# Altium PCB PCB v0.2.PcbDoc (part 2 of 2)
Units mm, origin at the board's own origin, x right, y up, seen from the top; angles counter-clockwise.
Board outline 36.5 x 36.5 mm, 8 copper layers (Top, GND Top, Signal 1, Signal 2/GND, Power, Signal 3, GND Bottom, Bottom), stack 1.211 mm thick; 151 components, 96 nets, 487 pads, 505 vias.
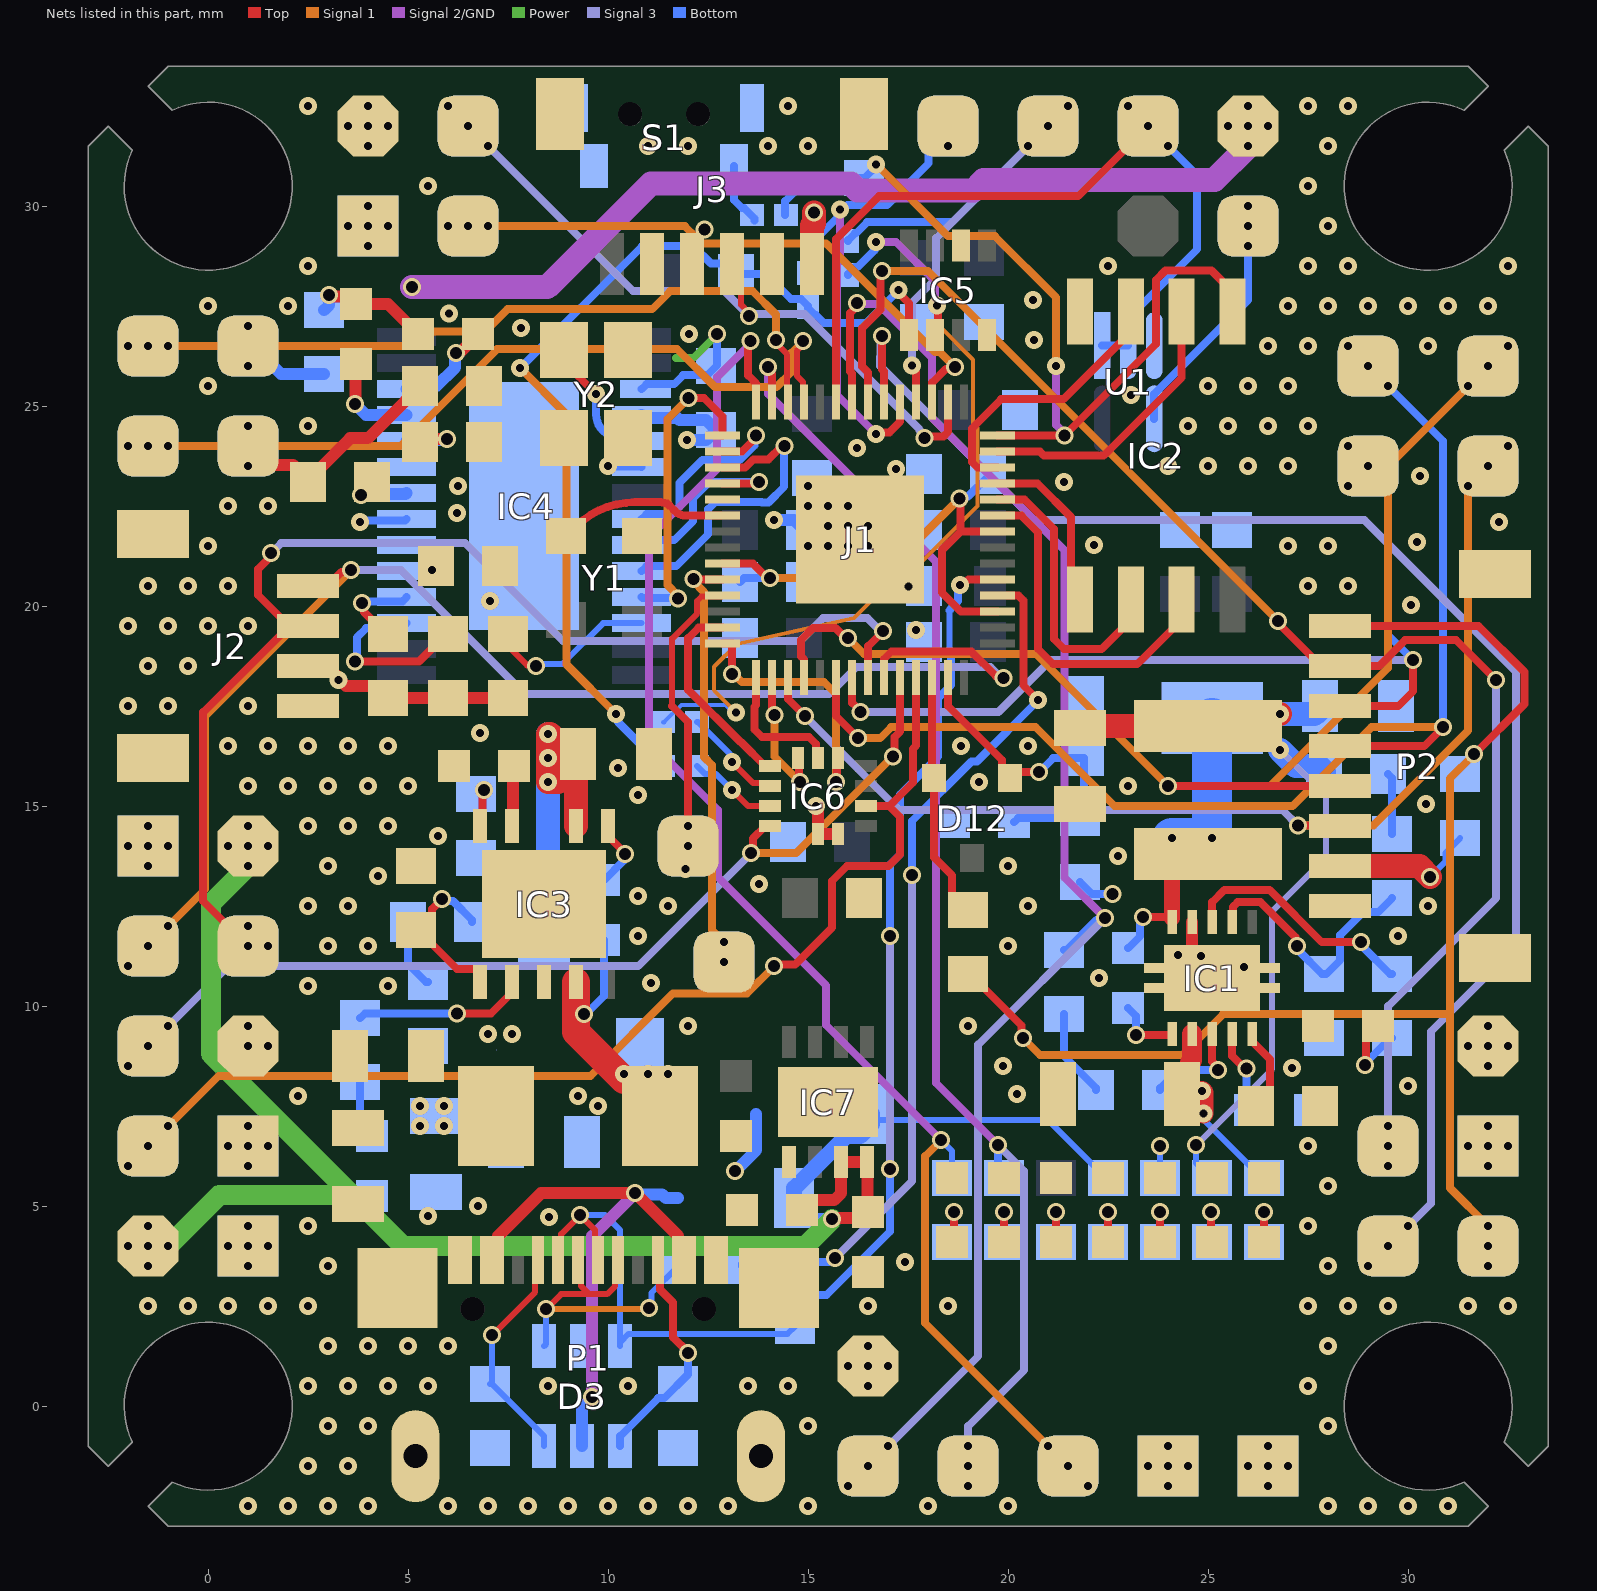
[diagram p8: the nets of this part, all layers, seen from the top]

## Via types
v1: diameter 0.45, hole 0.2, Top to Bottom, tented both sides, 260 vias
v2: diameter 0.45, hole 0.2, Top to Bottom, 136 vias
v3: diameter 0.45, hole 0.3, Top to Bottom, tented both sides, 109 vias

## Nets (pads, with @x,y where several pads share a name; then routed paths per layer and width w, separated by ;. In a path a pad name is that pad's centre, name@x,y a point inside that pad or via, vN(x,y) a via of type N, cw(c..) or ccw(c..) an arc to the next point about the centre after c; other vN are vias at no path point) (continued)
4V5: C21.1 C24.2 D11.2 D13.2 IC7.7 IC7.8 P34.1 P34.2 P36.1 P36.2 R17.2 | length 47.5
  Top w0.3: C21.1@14.85,4.9 15.1,5.15 15.649,5.15 15.825,5.326 IC7.7@15.825,6.1 IC7.8@16.475,6.1 16.488,6.088 16.488,4.862 C24.2@16.5,4.85 16.354,4.704 15.629,4.704 v3(15.6,4.675)
  Power w0.5: v2(-2,4) v2(-1.5,4) ; v2(-1.5,3.5) v2(-1.5,4) ; v2(-1.5,4.5) v2(-1.5,4) ; v2(0.5,14) v2(1,14) ; v2(1,14.5) v2(1,14) ; v2(1.5,14) v2(1,14) ; v3(15.6,4.675) 14.925,4 4.875,4 3.6,5.275 ; v2(-1.5,4) v2(-1,4) 0.275,5.275 3.6,5.275 ; v2(1,14) v2(1,13.5) 0.075,12.575 0.075,8.8 3.6,5.275
  Bottom w0.15: D11.2@16.75,7.15 21,7.15 22.45,5.7 R17.2@22.5,5.7
  Bottom w0.3: D13.2@14.65,5.2 14.65,5.025 15,4.675 v3(15.6,4.675)
  Bottom w0.4: D13.2@14.65,5.2 14.65,5.45 15.95,6.75 16.3,6.75 16.6,7.05 D11.2@16.6,7.3
5V: C8.2 C9.2 C10.2 C14.2 C15.1 C16.1 C31.2 D11.1 IC4.3 IC4.19 IC4.21 IC4.24 J2.3 L2.2 P29.1 P29.2 P30.1 P30.2 P32.1 P32.2 R11.2 R16.2 R23.2 R24.2 R25.2 | length 37.6
  Top w0.2: v1(5.6,20.9) C16.1@5.7,21
  Top w0.3: J2.3@2.5,18.5 2.975,18.5 3.228,18.247 3.228,18.181 v1(3.257,18.152) ; J2.3@3.268,18.207 3.268,18.182 3.45,18 4.2,18 R24.2@4.5,17.7 R25.2@6,17.7 R23.2@7.5,17.7 ; C15.1@5.3,24.1 5.375,24.175 v3(5.975,24.175)
  Signal 2/GND w0.6: v3(5.1,27.975) 8.475,27.975 11.066,30.566 16.066,30.566 16.236,30.396 19.131,30.396 19.387,30.652 25.152,30.652 v2(26,31.5)
  Power w0.2: 11.7,26.2 12.125,26.2 v3(12.725,26.8)
  Bottom w0.15: R16.2@23.8,5.7 v3(23.8,6.5)
  Bottom w0.2: v1(3.8,22.1) 3.838,22.137 4.924,22.137 IC4.21@4.962,22.175 ; IC4.3@10.838,25.425 10.963,25.55 11.649,25.55 11.874,25.775 12.475,25.775 12.725,26.025 v3(12.725,26.8)
  Bottom w0.3: IC4.24@4.962,24.125 4.987,24.15 5.95,24.15 v3(5.975,24.175) ; v3(13.175,5.875) 13.7,6.4 D11.1@13.7,7.3
  other v1: 16.5,0.5 16,1 16.5,1 17,1 16.5,1.5 5.3,7 5.9,7 5.3,7.5 5.9,7.5
  other v2: 1,9.002 1.5,9.002 1,9.5 25.5,32 26,32 26.5,32 26,32.5
10V: C4.2 C5.2 J3.1 L1.2 P28.1 P28.2 R1.2 R15.2 | length 21.6
  Top w0.6: J3.1@15.1,28.55 15.1,29.52 15.148,29.568 v3(15.148,29.841) ; C5.2@21.8,16.95 21.85,17 L1.2@25,17 25.3,17.3 v1(26.8,17.3)
  Signal 3 w0.15: v3(24.7,6.525) 26.6,8.425 26.6,12.375 27.95,13.725 27.95,15.25 v1(26.8,16.4)
  Bottom w0.15: v3(24.7,6.525) 24.7,6.075 25.075,5.7 R15.2@25.1,5.7
  Bottom w0.6: v1(26.8,16.4) 27.2,16 27.75,16 27.9,15.85 R1.2@27.9,15.8 ; v1(26.8,17.3) 27.65,17.3 27.8,17.45 C4.2@27.8,17.5
  other v2: 4,31.5 3.5,32 4,32 4.5,32 4,32.5
Activity: J1.14 P43.1 P43.2 R20.2 | length 37.3
  Top w0.2: v3(13.558,26.629) 13.558,26.561 13.498,26.502 13.498,25.772 13.7,25.571 J1.14@13.7,25.1
  Signal 2/GND w0.2: v3(13.558,26.629) 13.558,26.561 12.725,25.728 12.725,23.425 11.025,21.725 11.025,16.625 12.75,14.9 12.75,13.222 15.45,10.522 15.45,9.525 v3(18.325,6.65)
  Signal 1 w0.2: v3(18.325,6.65) 17.925,6.25 17.925,2.075 v2(21,-1) v2(21.5,-1.5) v2(22,-2)
  Bottom w0.15: v3(18.325,6.65) 18.6,6.375 R20.2@18.6,5.7
CC1: D3.6 P1.4 R8.2 | length 5.7
  Top w0.15: v3(7.1,1.775) 8.175,2.85 8.175,3.575 P1.4@8.25,3.65
  Bottom w0.15: R8.2@7.05,0.55 R8.2@7.1,0.55 ; v3(7.1,1.775) R8.2@7.1,0.55 ; D3.6@8.4,-1 8.4,-0.75 R8.2@7.1,0.55
CC2: D3.4 P1.10 R7.2 | length 5.7
  Top w0.2: P1.10@11.25,3.65 11.295,3.605 11.295,2.92 11.622,2.593 11.622,1.723 11.993,1.353 v3(11.993,1.33)
  Bottom w0.2: D3.4@10.3,-1 10.3,-0.75 11.25,0.2 11.4,0.2 11.993,0.793 v3(11.993,1.33)
CSB: IC6.12 J1.28 | length 6.6
  Top w0.2: J1.28@12.862,19.062 13.1,19.062 v3(13.1,18.3) ; v3(15.7,15.6) 15.725,15.625 15.725,16.175 IC6.12@15.75,16.2
  Signal 1 w0.2: v3(13.1,18.3) 13.142,18.3 13.342,18.1 15.4,18.1 15.7,17.8 v3(15.7,15.6)
Curr_ADC: D12.2 J1.40 R10.2 | length 6
  Top w0.2: J1.40@18.1,18.224 18.1,16 D12.2@18.15,15.95 ; D12.2@18.15,15.7 18.15,13.715 18.6,13.265 18.6,12.75 18.95,12.4 R10.2@19,12.4
Curr_ESC: P2.8 P27.1 P27.2 R10.1 R38.1 | length 34.6
  Top w0.2: R10.1@19,10.8 19.05,10.8 20.327,9.523 20.327,9.248 v3(20.375,9.2) ; P2.8@28.3,19.5 31.763,19.5 32.906,18.357 32.906,17.556 v3(31.65,16.3)
  Signal 1 w0.2: v3(20.375,9.2) 20.8,8.775 24.35,8.775 25.375,9.8 31.048,9.8 ; v3(31.65,16.3) 31.048,15.698 31.048,9.8 ; v2(32,3.5) v2(32,4) v2(32,4.5) 31.048,5.452 31.048,9.8
Debug: J1.13 P41.1 P41.2 R19.2 | length 33
  Top w0.2: v3(13.998,25.979) 13.998,25.912 14.1,25.81 J1.13@14.1,25.1
  Signal 2/GND w0.2: v3(13.998,25.979) v3(13.998,25.979) 14,25.302 18.2,21.102 18.2,8.075 v3(19.75,6.525)
  Signal 3 w0.2: v2(19,-2) v2(19,-1.5) v2(19,-1) 19,-0.5 20.4,0.9 20.4,5.875 v3(19.75,6.525)
  Bottom w0.2: v3(19.75,6.525) 19.75,5.85 R19.2@19.9,5.7
DM: D3.3 P1.5 P1.7 R5.2 | length 11.3
  Top w0.15: P1.5@8.75,3.65 8.825,3.725 8.825,4.3 v3(9.3,4.775) 9.675,4.4 9.675,3.725 P1.7@9.75,3.65
  Bottom w0.15: v3(9.3,4.775) 9.925,4.775 10.3,4.4 D3.3@10.3,1.601 ; D3.3@10.3,1.5 D3.3@10.3,1.601 ; R5.2@14.675,2 14.48,1.805 10.504,1.805 D3.3@10.3,1.601
DP: D3.1 P1.6 P1.8 R4.2 | length 8.5
  Top w0.15: v3(8.45,2.425) 8.825,2.8 9.525,2.8 ; P1.6@9.25,3.65 9.325,3.575 9.325,3 9.525,2.8 ; P1.8@10.25,3.65 10.175,3.575 10.175,3 9.975,2.8 9.525,2.8
  Signal 1 w0.15: v3(8.45,2.425) 11,2.425 v3(11.025,2.45)
  Bottom w0.15: D3.1@8.4,1.5 8.45,1.55 v3(8.45,2.425) ; v3(11.025,2.45) 11.082,2.507 11.082,2.832 11.75,3.5 R4.2@11.75,3.55
GND: C2.1 C3.1 C4.1 C5.1 C6.1 C8.1 C9.1 C10.1 C14.1 C15.2 C16.2 C17.2 C18.1 C19.1 C20.1 C21.2 C22.1 C24.1 C25.1 C26.1 C27.1 C28.1 C29.1 C30.1 C31.1 C32.1 C33.1 C34.1 C35.1 C37.1 C38.1 C39.2 C40.2 C42.1 D1.1 D2.1 D3.2 D4.1 D5.1 D6.1 D7.1 D8.1 D9.1 D10.1 IC1.9 IC1.11 IC1.12 IC1.13 IC1.14 IC1.15 IC2.4 IC3.8 IC3.11 IC4.4 IC4.20 IC4.23 IC4.29 IC5.1 IC5.7 IC6.6 IC6.7 IC7.5 IC7.9 J1.19 J1.57 J2.4 J2.5 J2.6 J3.2 J3.5 J3.MP1 J3.MP2 P1.1 P1.12 P1.13 P1.14 P1.15 P1.16 P2.1 P2.MP1 P2.MP2 P20.1 P20.2 P21.1 P21.2 P22.1 P22.2 P23.1 P23.2 P24.1 P24.2 P25.1 P25.2 P26.1 P26.2 R3.1 R6.1 R7.1 R8.1 R22.1 R29.1 R32.1 R34.1 S1.1 S1.3 S1.4 U1.3 Y1.2 Y2.2 Y2.4 | length 12.5
  Top w0.102: IC1.15@23.65,10.45 IC1.11@25.35,10.45 ; IC1.14@23.65,10.95 IC1.11@24.85,10.95 ; IC1.12@26.55,10.45 IC1.11@25.35,10.45 ; IC1.13@26.55,10.95 25.35,10.95 IC1.11@25.1,10.7 IC1.11@25.35,10.45
  Top w0.3: v1(15.2,15) 15.2,14.959 15.25,14.909 IC6.6@15.25,14.3 IC6.7@15.75,14.3 ; IC1.9@24.6,12.1 24.6,11.2 24.85,10.95 IC1.11@25.1,10.7
  Bottom w0.3: IC4.4@10.838,24.775 10.913,24.7 11.729,24.7 11.779,24.65 12.45,24.65 C14.1@12.7,24.4 12.45,24.15 v1(11.975,24.15) ; v1(14.15,22.15) 14.65,22.15 C27.1@14.9,21.9
  other v1: 1,-2.5 2,-2.5 3,-2.5 4,-2.5 6,-2.5 7,-2.5 8,-2.5 9,-2.5 10,-2.5 11,-2.5 12,-2.5 13,-2.5 15,-2.5 18,-2.5 20,-2.5 28,-2.5 29,-2.5 30,-2.5 31,-2.5 2.5,-1.5 3.5,-1.5 3,-0.5 4,-0.5 15,-0.5 28,-0.5 2.5,0.5 3.5,0.5 4.5,0.5 5.5,0.5 8.5,0.5 10.5,0.5 13.5,0.5 14.5,0.5 27.5,0.5 3,1.5 4,1.5 5,1.5 6,1.5 28,1.5 -1.5,2.5 -0.5,2.5 0.5,2.5 1.5,2.5 2.5,2.5 16.5,2.5 18.5,2.5 27.5,2.5 28.5,2.5 29.5,2.5 31.5,2.5 32.5,2.5 3,3.5 28,3.5 17.425,3.6 2.5,4.5 27.5,4.5 8.525,4.725 5.5,4.75 6.75,5 28,5.5 27.5,6.5 9.75,7.5 2.25,7.75 9.25,7.75 20.225,7.8 30,8 27.1,8.45 19.875,8.5 7,9.3 7.6,9.3 12,9.5 19,9.5 2.5,10.5 4.5,10.5 11.075,10.575 22.275,10.7 25.9,10.975 24.825,11.25 24.25,11.275 3,11.5 4,11.5 20,11.5 10.75,11.75 29.75,11.75 2.5,12.5 3.5,12.5 11.5,12.5 20.5,12.5 30.5,12.5 10.75,12.75 13.775,13.05 4.25,13.25 3,13.5 20,13.5 22.75,13.75 5.75,14.25 2.5,14.5 3.5,14.5 4.5,14.5 30.45,15.05 10.75,15.275 1,15.5 2,15.5 3,15.5 4,15.5 5,15.5 23,15.5 19.275,15.6 10.25,15.95 0.5,16.5 1.5,16.5 2.5,16.5 3.5,16.5 4.5,16.5 18.825,16.5 20.5,16.5 6.8,16.825 -2,17.5 -1,17.5 1,17.5 -1.5,18.5 -0.5,18.5 17.7,19.4 -2,19.5 -1,19.5 0,19.5 1,19.5 30.075,20.025 7.05,20.125 17.506,20.494 -1.5,20.5 -0.5,20.5 0.5,20.5 27.5,20.5 28.5,20.5 0,21.5 15,21.5 15.5,21.5 16,21.5 16.5,21.5 27,21.5 28,21.5 22.15,21.525 30.225,21.6 15.5,22 16,22 16.5,22 32.275,22.1 6.225,22.325 0.5,22.5 1.5,22.5 15,22.5 15.5,22.5 16,22.5 6.25,23 15,23 21.4,23.1 30.3,23.25 17.2,23.425 24,23.5 25,23.5 26,23.5 27,23.5 16.225,23.95 2.5,24.5 24.5,24.5 25.5,24.5 26.5,24.5 27.5,24.5 23.075,25.275 0,25.5 25,25.5 26,25.5 27,25.5 26.5,26.5 27.5,26.5 30.5,26.5 20.65,26.65 12.025,26.8 7.825,26.95 6.02,27.323 0,27.5 2,27.5 27,27.5 28,27.5 29,27.5 30,27.5 31,27.5 32,27.5 20.625,27.65 2.5,28.5 22.5,28.5 27.5,28.5 28.5,28.5 32.5,28.5 28,29.5 5.5,30.5 27.5,30.5 11,31.5 12,31.5 14,31.5 15,31.5 28,31.5 2.5,32.5 14.5,32.5 27.5,32.5 28.5,32.5
  other v2: 24,-2 26.5,-2 23.5,-1.5 24,-1.5 24.5,-1.5 26,-1.5 26.5,-1.5 27,-1.5 24,-1 26.5,-1 1,3.5 0.5,4 1,4 1.5,4 1,4.5 1,6 32,6 0.5,6.5 1,6.5 1.5,6.5 31.5,6.5 32,6.5 32.5,6.5 1,7 32,7 -1.5,13.5 -2,14 -1.5,14 -1,14 -1.5,14.5 4,29 3.5,29.5 4,29.5 4.5,29.5 4,30
Gyro_Int1: IC6.4 J1.38 P8.1 P8.2 | length 25.3
  Top w0.2: v3(13.575,13.825) 13.623,13.873 13.623,14.198 13.925,14.5 IC6.4@14.05,14.5 ; v3(17.113,16.246) 17.161,16.293 17.161,16.732 17.3,16.871 J1.38@17.3,18.224
  Signal 1 w0.2: v3(13.575,13.825) 14.693,13.825 v3(17.113,16.246)
  Signal 3 w0.2: v2(-2,8.5) 0.5,11 10.75,11 v3(13.575,13.825)
  other v2: -1.5,9 -1,9.5
Gyro_Int2: IC6.9 J1.39 P9.1 P9.2 | length 28.6
  Top w0.2: v3(14.15,11) 14.193,11.043 14.675,11.043 15.6,11.968 15.6,13.135 15.965,13.5 17.006,13.5 17.298,13.793 17.298,14.727 17.025,15 ; IC6.9@16.45,15 17.025,15 ; J1.39@17.7,18.224 17.7,16.52 17.613,16.434 17.613,15.588 17.025,15
  Signal 1 w0.2: v2(-2,6) v2(-1,7) 0.261,8.261 9.561,8.261 11.615,10.315 13.465,10.315 v3(14.15,11)
  other v2: -1.5,6.5
Gyro_MISO: IC6.1 J1.27 | length 5.1
  Top w0.2: J1.27@12.862,19.462 12.262,19.462 12,19.2 12,17.909 13.303,16.605 13.32,16.605 13.925,16 IC6.1@14.05,16
Gyro_MOSI: IC6.14 J1.30 | length 3.5
  Top w0.2: J1.30@14.1,18.224 14.1,17.395 14.152,17.343 v3(14.152,17.275) ; IC6.14@14.75,16.2 14.775,16.175 14.775,15.625 v3(14.8,15.6)
  Signal 1 w0.2: v3(14.152,17.275) 14.152,16.248 v3(14.8,15.6)
Gyro_SCLK: IC6.13 J1.29 | length 3.4
  Top w0.2: J1.29@13.7,18.224 13.7,17.53 13.652,17.482 13.652,16.923 13.85,16.725 15.025,16.725 15.2,16.55 15.2,16.25 IC6.13@15.25,16.2
IO4: J1.6 P3.1 P3.2 | length 37.9
  Top w0.2: v3(16.85,26.75) 16.85,25.918 16.9,25.868 J1.6@16.9,25.1
  Signal 3 w0.2: v3(16.85,26.75) 16.802,26.702 16.802,26.235 16.8,26.232 16.8,26.011 20.661,22.15 28.907,22.15 32.7,18.357 32.7,11.5 30.574,9.374 30.574,5.074 v2(30,4.5) v2(29.5,4) v2(29,3.5)
IO5: J1.7 P2.7 P4.1 P4.2 | length 37
  Top w0.2: J1.7@16.5,25.1 16.5,25.841 16.35,25.991 16.35,26.957 16.81,27.418 16.81,28.336 v3(16.85,28.375) ; v3(26.75,19.625) 26.75,19.575 27.825,18.5 29.268,18.5 29.918,19.15 31.2,19.15 v3(32.2,18.15)
  Signal 1 w0.2: v3(16.85,28.375) 18,28.375 v3(26.75,19.625)
  Signal 3 w0.2: v2(29.5,6) v2(29.5,6.5) v2(29.5,7) 29.5,10 32.2,12.7 v3(32.2,18.15)
IO6: J1.8 P5.1 P5.2 R35.1 | length 39
  Top w0.2: J1.8@16.1,25.1 16.1,25.815 16.048,25.866 16.048,27.331 16.225,27.507 v3(16.225,27.575)
  Signal 2/GND w0.2: v3(16.225,27.575) 16.243,27.557 16.75,27.557 18.09,26.217 18.09,24.72 21.402,21.409 21.402,13.222 v3(22.418,12.206)
  Signal 3 w0.2: v2(16,-2) v2(16.5,-1.5) v2(17,-1) 19.25,1.25 19.25,9.038 v3(22.418,12.206)
  Bottom w0.2: R35.1@21.4,11.4 21.45,11.4 22.208,12.158 22.37,12.158 v3(22.418,12.206)
IO24: J1.36 J2.2 P7.1 P7.2 | length 30.2
  Top w0.2: v2(1,11.5) -0.125,12.625 -0.125,17.35 J2.2@2.025,19.5 ; v3(1.575,21.325) 1.575,21.257 1.25,20.932 1.25,20.275 J2.2@2.025,19.5 ; J2.2@2.5,19.5 J2.2@2.025,19.5 ; J1.36@16.5,18.224 16.5,19 v3(16.875,19.375)
  Signal 3 w0.2: v3(1.575,21.325) 1.825,21.575 6.425,21.575 8.875,19.125 14.791,19.125 15.366,19.7 16.482,19.7 16.807,19.375 v3(16.875,19.375)
  other v2: 1.5,11.5 1,12
IO25: J1.37 J2.1 P6.1 P6.2 | length 35.2
  Top w0.2: J2.1@2.5,20.5 2.975,20.5 3.327,20.852 3.527,20.852 v3(3.575,20.9) ; J1.37@16.9,18.224 16.9,18.685 17.078,18.863 19.084,18.863 19.699,18.248 19.829,18.248 v3(19.877,18.2)
  Signal 1 w0.2: v2(-2,11) -0.075,12.925 -0.075,17.25 v3(3.575,20.9)
  Signal 3 w0.2: v3(3.575,20.9) 4.817,20.9 7.917,17.8 15.525,17.8 16.2,18.475 19.557,18.475 19.832,18.2 v3(19.877,18.2)
  other v2: -1.5,11.5 -1,12
M1: J1.31 P2.3 P16.1 P16.2 | length 28.4
  Top w0.2: J1.31@14.5,18.224 14.5,17.675 v3(14.925,17.25) ; v3(27.244,14.519) 28.281,14.519 P2.3@28.3,14.5
  Signal 1 w0.2: v3(27.244,14.519) 29.126,14.519 31.5,16.893 v2(31.5,23) v2(32.5,24)
  Signal 3 w0.2: v3(14.925,17.25) 17.275,14.9 26.863,14.9 v3(27.244,14.519)
  other v2: 32,23.5
M2: J1.32 P2.4 P17.1 P17.2 | length 32.2
  Top w0.2: J1.32@14.9,18.224 14.9,18.671 14.826,18.745 14.826,19.16 15.118,19.452 15.68,19.452 15.932,19.2 v3(16,19.2) ; v3(24,15.5) P2.4@28.3,15.5
  Signal 1 w0.2: v3(16,19.2) 16.4,18.8 20.7,18.8 v3(24,15.5) 26.539,15.5 29.5,18.461 29.5,23.5 v2(31.5,25.5) v2(32,26) v2(32.5,26.5)
M3: J1.34 P2.5 P18.1 P18.2 | length 30.7
  Top w0.2: J1.34@15.7,18.224 15.7,17.25 v3(16.25,16.7) ; P2.5@28.3,16.5 30.4,16.5 v3(30.875,16.975)
  Signal 1 w0.2: v3(16.25,16.7) 16.8,16.7 17.075,16.975 20.687,16.975 22.662,15 27.107,15 29.082,16.975 v3(30.875,16.975)
  Bottom w0.2: v2(29,26) 30.875,24.125 v3(30.875,16.975)
  other v2: 29.5,25.5 28.5,26.5
M4: J1.35 P2.6 P19.1 P19.2 | length 23.4
  Top w0.2: J1.35@16.1,18.224 16.1,17.586 16.304,17.383 v3(16.304,17.354) ; P2.6@28.3,17.5 29.75,17.5 30.125,17.875 v3(30.125,18.65)
  Signal 3 w0.2: v3(16.304,17.354) 19.761,17.354 21.057,18.65 v3(30.125,18.65)
  Bottom w0.2: v2(29,23.5) 29.489,23.011 29.489,22.732 29.5,22.721 29.5,19.275 v3(30.125,18.65)
  other v2: 28.5,23 28.5,24
MISO: IC4.11 J1.15 | length 7.8
  Top w0.2: v3(12.006,25.2) 12.4,25.2 12.862,24.738 J1.15@12.862,24.262
  Signal 1 w0.2: v3(11.75,20.191) 11.75,20.259 11.481,20.527 11.481,24.675 v3(12.006,25.2)
  Bottom w0.2: IC4.11@10.838,20.225 10.855,20.208 11.733,20.208 v3(11.75,20.191)
MOSI: IC4.9 J1.18 | length 4.8
  Top w0.2: J1.18@12.862,23.062 13.729,23.062 v3(13.768,23.102)
  Bottom w0.2: IC4.9@10.838,21.525 10.963,21.65 11.649,21.65 12.125,22.126 12.125,22.7 12.527,23.102 v3(13.768,23.102)
NetC1_1: C1.1 IC1.1 | length 1.7
  Top w0.2: v3(23.2,9.275) 24.08,9.275 24.1,9.295 IC1.1@24.1,9.3
  Bottom w0.2: C1.1@23,9.95 23.2,9.75 v3(23.2,9.275)
NetC1_2: C1.2 D1.2 IC1.10 L1.1 | length 8
  Top w0.2: v3(23.375,12.225) 24.08,12.225 24.1,12.205 IC1.10@24.1,12.1
  Top w0.4: IC1.10@24.1,12.205 24.1,13.35 24.55,13.8 L1.1@25,13.8
  Bottom w0.2: C1.2@23,11.45 23.3,11.75 23.3,12.082 23.375,12.157 v3(23.375,12.225)
  Bottom w1: v1(24.1,14.2) v1(25.1,14.2) D1.2@25.1,17.2
NetC3_2: C3.2 IC1.4 | length 2.1
  Top w0.2: IC1.4@25.6,9.3 25.6,8.757 25.909,8.448 v3(25.952,8.448)
  Bottom w0.2: v3(25.952,8.448) 25.952,7.498 C3.2@26.05,7.4
NetC6_2: C6.2 R9.1 | length 2.1
  Top w0.2: v3(28.925,8.525) 28.95,8.55 28.95,9.2 C6.2@29.25,9.5
  Bottom w0.2: v3(28.925,8.525) 28.925,8.575 29.55,9.2 R9.1@29.6,9.2
NetC7_1: C7.1 IC3.1 | length 1.7
  Top w0.2: IC3.1@10,14.5 10,14.25 10.425,13.825 v3(10.425,13.8)
  Bottom w0.2: C7.1@9.9,13.15 10.377,13.627 10.377,13.752 v3(10.425,13.8)
NetC7_2: C7.2 D2.2 IC3.9 L2.1 | length 7.4
  Top w0.2: IC3.9@9.2,10.6 9.2,10.35 9.4,10.15 v3(9.4,9.8)
  Top w0.7: IC3.9@9.2,10.6 9.2,10.162 9.2,9.8 9.2,9.35 10.4,8.15 10.7,8.15 11.3,7.55 L2.1@11.3,7.25
  Bottom w0.2: v3(9.4,9.8) 9.441,9.8 9.9,10.259 C7.2@9.9,11.65
  other v1: 10.4,8.3 11,8.3 11.5,8.3
NetC11_1: C11.1 IC4.26 | length 2.6
  Top w0.3: v3(6.2,26.325) 6.229,26.354 6.304,26.354 C11.1@6.75,26.8
  Bottom w0.3: IC4.26@4.962,25.425 5.037,25.5 5.705,25.5 6.171,25.966 6.171,26.296 v3(6.2,26.325)
NetC11_2: C11.2 C12.2 R21.2 | length 3.1
  Top w0.3: v3(3.025,27.775) 3.054,27.746 3.504,27.746 C12.2@3.7,27.55 4.5,27.55 C11.2@5.25,26.8
  Bottom w0.3: R21.2@2.9,27.4 3.025,27.525 v3(3.025,27.775)
NetC12_1: C12.1 IC4.25 | length 2.4
  Top w0.3: v3(3.674,25.051) 3.687,25.065 3.687,26.037 C12.1@3.7,26.05
  Bottom w0.3: v3(3.674,25.051) 3.95,24.775 IC4.25@4.962,24.775
NetC13_1: C13.1 IC4.22 | length 1.6
  Top w0.3: v3(3.825,22.775) 3.825,22.825 C13.1@4.1,23.1
  Bottom w0.3: v3(3.825,22.775) 3.85,22.8 4.937,22.8 IC4.22@4.962,22.825
NetC34_2: C34.2 IC3.4 | length 1.5
  Top w0.3: IC3.4@7.6,14.5 7.625,14.525 7.625,15.975 C34.2@7.65,16
NetC35_2: C35.2 R13.1 | length 1.5
  Bottom w0.2: R13.1@3.8,8.1 3.8,7.05 C35.2@4.1,6.75
NetC39_1: C39.1 C40.1 J1.23 J1.45 J1.50 | length 13.8
  Top w0.2: J1.23@12.862,21.062 13.62,21.062 13.982,20.7 v3(14.05,20.7) ; v3(18.781,22.696) 18.805,22.672 18.805,21.862 ; J1.45@19.738,19.862 19.21,19.862 19.209,19.863 18.821,19.863 18.346,20.338 18.346,21.403 18.805,21.862 ; J1.50@19.738,21.862 18.805,21.862
  Signal 1 w0.2: v3(14.05,20.7) 16.785,20.7 v3(18.781,22.696)
  Bottom w0.2: C39.1@13.3,20.6 13.4,20.7 v3(14.05,20.7) ; v3(18.781,22.696) 18.829,22.744 18.994,22.744 19.5,23.25 C40.1@19.5,23.3
NetD4_2: D4.2 R20.1 | length 1.5
  Top w0.2: D4.2@18.6,4.1 18.65,4.15 v3(18.65,4.85)
  Bottom w0.2: R20.1@18.6,4.1 18.65,4.15 v3(18.65,4.85)
NetD5_2: D5.2 R14.1 | length 1.5
  Top w0.2: D5.2@26.4,4.1 v3(26.4,4.85)
  Bottom w0.2: R14.1@26.4,4.1 v3(26.4,4.85)
NetD6_2: D6.2 R15.1 | length 1.5
  Top w0.2: v3(25.075,4.85) 25.075,4.125 D6.2@25.1,4.1
  Bottom w0.2: v3(25.075,4.85) 25.075,4.125 R15.1@25.1,4.1
NetD7_2: D7.2 R16.1 | length 1.5
  Top w0.2: D7.2@23.8,4.1 v3(23.8,4.85)
  Bottom w0.2: R16.1@23.8,4.1 v3(23.8,4.85)
NetD8_2: D8.2 R17.1 | length 1.5
  Top w0.2: D8.2@22.5,4.1 v3(22.5,4.85)
  Bottom w0.2: R17.1@22.5,4.1 v3(22.5,4.85)
NetD9_2: D9.2 R18.1 | length 1.5
  Top w0.2: D9.2@21.2,4.1 v3(21.2,4.85)
  Bottom w0.2: R18.1@21.2,4.1 v3(21.2,4.85)
NetD10_2: D10.2 R19.1 | length 1.5
  Top w0.2: D10.2@19.9,4.1 v3(19.9,4.85)
  Bottom w0.2: R19.1@19.9,4.1 v3(19.9,4.85)
NetIC1_3: IC1.3 R31.2 | length 2.6
  Top w0.2: IC1.3@25.1,9.3 25.1,8.618 25.25,8.468 v3(25.25,8.4)
  Bottom w0.2: R31.2@23.8,7.9 23.8,7.95 24.25,8.4 v3(25.25,8.4)
NetIC1_5: IC1.5 R6.2 | length 2.1
  Top w0.2: IC1.5@26.1,9.3 26.1,9.12 26.55,8.67 26.55,7.85 R6.2@26.2,7.5
NetIC1_7: IC1.7 R2.1 R3.2 | length 6.5
  Top w0.2: IC1.7@25.6,12.1 25.62,12.12 25.62,12.484 25.737,12.602 26.304,12.602 27.177,11.728 27.177,11.548 v3(27.225,11.5)
  Bottom w0.2: v3(27.225,11.5) 27.273,11.452 27.273,11.377 27.85,10.8 R3.2@27.9,10.8 27.95,10.8 28.3,11.15 28.3,11.782 28.868,12.35 29.25,12.35 R2.1@29.6,12.7
NetIC1_8: IC1.8 R9.2 | length 6
  Top w0.2: IC1.8@25.1,12.1 25.1,12.6 25.403,12.903 26.537,12.903 27.84,11.6 v3(28.825,11.6)
  Bottom w0.2: v3(28.825,11.6) 28.873,11.552 28.873,11.477 29.55,10.8 R9.2@29.6,10.8
NetIC2_1: IC2.1 J1.56 R30.1 R40.2 | length 21.7
  Top w0.2: J1.56@19.738,24.262 v3(21.401,24.262) 23.7,26.561 23.7,28.161 23.928,28.39 25.08,28.39 25.607,27.863 IC2.1@25.607,27.363
  Signal 2/GND w0.2: v1(21.2,26) 21.2,24.531 21.401,24.33 v3(21.401,24.262)
  Signal 1 w0.2: v1(16.7,31.048) 18.498,29.25 19.664,29.25 21.2,27.714 v1(21.2,26)
  Bottom w0.2: R40.2@14.425,29.777 14.425,30.125 15,30.7 R30.1@16.4,30.7 16.7,31 v1(16.7,31.048)
NetIC2_2: IC2.2 J1.55 | length 7.1
  Top w0.2: J1.55@19.738,23.862 20.792,23.862 20.892,23.762 22.387,23.762 24.337,25.712 IC2.2@24.337,27.363
NetIC2_3: IC2.3 J1.54 | length 7
  Top w0.2: J1.54@19.738,23.462 19.238,23.462 19.099,23.601 19.099,24.449 19.825,25.175 21.379,25.175 23.067,26.863 IC2.3@23.067,27.363
NetIC2_5: IC2.5 J1.53 | length 4.3
  Top w0.2: J1.53@19.738,23.062 20.738,23.062 21.572,22.228 21.572,20.388 IC2.5@21.797,20.163
NetIC2_6: IC2.6 J1.52 | length 7.3
  Top w0.2: J1.52@19.738,22.662 20.413,22.662 21.15,21.925 21.15,19.175 21.4,18.925 22.329,18.925 23.067,19.663 IC2.6@23.067,20.163
NetIC2_7: IC2.7 J1.51 | length 8.8
  Top w0.2: J1.51@19.738,22.262 20.326,22.262 20.75,21.838 20.75,18.925 21.125,18.55 23.224,18.55 24.337,19.663 IC2.7@24.337,20.163
NetIC3_5: IC3.5 R32.2 | length 0.9
  Top w0.2: IC3.5@6.8,14.5 6.852,14.552 6.852,15.359 v3(6.9,15.406)
NetIC3_6: IC3.6 R12.1 R34.2 | length 4.3
  Top w0.2: R34.2@5.2,11.9 R34.2@5.25,11.9 ; v3(5.843,12.676) 5.6,12.434 5.6,12.25 R34.2@5.25,11.9 ; IC3.6@6.8,10.6 6.8,10.85 6.725,10.925 6.225,10.925 R34.2@5.25,11.9
  Bottom w0.2: v3(5.843,12.676) 5.89,12.628 6.122,12.628 6.6,12.15 R12.1@6.6,12.1
NetIC3_7: IC3.7 R13.2 | length 4.3
  Top w0.2: v3(6.216,9.814) 7.064,9.814 7.6,10.35 IC3.7@7.6,10.6
  Bottom w0.2: R13.2@3.8,9.7 3.914,9.814 v3(6.216,9.814)
NetIC4_5: IC4.5 Y2.1 | length 3.4
  Top w0.2: Y2.1@8.9,26.4 ccw(c9.624,26.4) 9.112,25.888 v1(9.7,25.3)
  Bottom w0.2: v1(9.7,25.3) 9.7,24.792 ccw(c10.262,24.792) 9.865,24.394 ccw(c10.514,25.043) 10.514,24.125 IC4.5@10.838,24.125
NetIC4_6: IC4.6 Y2.3 | length 0.8
  Bottom w0.2: v1(10,23.5) 10.013,23.487 10.826,23.487 IC4.6@10.838,23.475
NetIC4_12: IC4.12 R23.1 | length 4.3
  Top w0.15: R23.1@7.5,19.3 7.5,18.996 7.975,18.522 8.171,18.522 v3(8.192,18.501)
  Bottom w0.15: v3(8.192,18.501) 8.248,18.557 8.858,18.557 9.875,19.575 IC4.12@10.838,19.575
NetIC4_17: IC4.17 R25.1 | length 4.6
  Top w0.2: v3(3.675,18.617) 5.267,18.617 5.95,19.3 R25.1@6,19.3
  Bottom w0.2: v3(3.675,18.617) 3.723,18.665 3.723,19.224 3.949,19.45 4.837,19.45 IC4.17@4.962,19.575
NetIC4_18: IC4.18 R24.1 | length 2.2
  Top w0.2: v3(3.85,20.075) 3.898,20.027 3.898,19.852 4.45,19.3 R24.1@4.5,19.3
  Bottom w0.2: v3(3.85,20.075) 3.898,20.123 4.86,20.123 IC4.18@4.962,20.225
NetIC5_3: IC5.3 R27.1 R33.2 R37.1 | length 21.3
  Top w0.2: IC5.3@18.175,26.775 18.242,26.842 v1@18.242,27.475
  Signal 2/GND w0.2: v1(16.7,29.1) 17.2,29.1 18.17,28.13 18.17,27.566 v1(18.217,27.518)
  Signal 1 w0.102: v1(13.2,17.348) 12.649,17.899 12.649,18.487 13.219,19.056 16.15,19.708 17.339,20.897 17.62,20.897 19.232,22.509 19.232,24.46 19.119,24.572 19.119,26.162 18.217,27.063 v1(18.217,27.518)
  Bottom w0.102: R37.1@11.375,17.1 11.4,17.1 11.827,17.527 12.926,17.527 13.106,17.348 v1(13.2,17.348)
  Bottom w0.2: R33.2@16,28.275 16,28.3 16.175,28.475 16.235,28.475 16.652,28.892 16.652,29.052 v1(16.7,29.1)
NetIC5_4: IC5.4 R26.1 R36.2 R39.1 | length 24.6
  Top w0.2: v1(17.263,27.9) 17.263,27.832 17.525,27.57 IC5.4@17.525,26.775
  Signal 1 w0.2: v1(7.8,25.952) 8.956,24.796 8.956,18.544 v1(10.2,17.3)
  Bottom w0.2: v1(7.8,25.952) 10.85,29.002 12.134,29.002 12.567,28.568 12.932,28.568 R26.1@13.2,28.3 13.95,28.3 14.575,27.675 14.825,27.675 15,27.5 15,27.45 15.175,27.275 15.2,27.275 15.4,27.075 16.438,27.075 v1(17.263,27.9) ; v1(10.2,17.3) 10.248,17.252 10.248,17.102 11.35,16 R39.1@11.375,16
NetIC6_2: IC6.2 R37.2 | length 2.6
  Top w0.15: v1(13.1,16.1) 13.625,15.575 13.975,15.575 IC6.2@14.05,15.5
  Bottom w0.15: R37.2@12.225,17.1 12.25,17.1 13.043,16.307 13.043,16.157 v1(13.1,16.1)
NetIC6_3: IC6.3 R39.2 | length 2.2
  Top w0.15: v1(13.1,15.4) 13.5,15 IC6.3@14.05,15
  Bottom w0.15: R39.2@12.225,16 12.425,15.8 12.7,15.8 v1(13.1,15.4)
NetJ1_20: J1.20 Y1.3 | length 4.3
  Top w0.2: Y1.3@8.95,21.75 9.181,21.981 cw(c10.675,20.488) 10.675,22.6 11.309,22.6 cw(c11.309,22.259) 11.55,22.5 11.682,22.368 ccw(c11.938,22.624) 11.938,22.262 J1.20@12.862,22.262
NetJ1_46: J1.46 R5.1 | length 20.5
  Top w0.2: J1.46@19.738,20.262 20.26,20.262 20.377,20.145 20.377,18.025 v1(20.751,17.652)
  Signal 3 w0.2: v3(15.67,3.7) 17.6,5.63 v3(17.6,13.275)
  Bottom w0.2: R5.1@14.675,3.6 15.502,3.6 15.602,3.7 v3(15.67,3.7) ; v3(17.6,13.275) 17.6,14.635 19.084,16.119 19.218,16.119 v1(20.751,17.652)
NetJ1_47: J1.47 R4.1 | length 22.6
  Top w0.2: v1(18.798,20.525) 18.866,20.525 19.003,20.662 J1.47@19.738,20.662
  Signal 3 w0.2: v3(17.05,5.925) v3(17.05,11.75)
  Bottom w0.102: 18.527,18.775 18.527,18.748 18.575,18.7
  Bottom w0.15: 18.527,18.775 18.527,19.891 18.532,19.897
  Bottom w0.2: R4.1@13.35,3.55 13.35,3.5 14.075,2.775 15.452,2.775 17.05,4.373 v3(17.05,5.925) ; v3(17.05,11.75) 17.05,13.544 17.298,13.793 17.298,15.29 18.25,16.241 18.25,17.709 18.575,18.034 18.575,18.7 ; 18.532,19.897 18.552,19.916 18.552,19.928 18.75,20.127 18.75,20.477 v1(18.798,20.525)
NetR1_1: R1.1 R2.2 | length 1.5
  Bottom w0.2: R1.1@29.5,15.8 29.6,15.7 R2.2@29.6,14.3
NetR11_1: R11.1 R12.2 | length 1.7
  Bottom w0.2: R12.2@5,12.1 5,11.05 5.45,10.6 R11.1@5.5,10.6
NetR31_1: R31.1 R35.2 | length 2.2
  Bottom w0.2: R35.2@21.4,9.8 21.4,8.75 22.2,7.95 R31.1@22.2,7.9
NetR40_1: R40.1 S1.2 | length 1.6
  Bottom w0.2: S1.2@13.15,31 13.15,30.15 13.348,29.952 13.398,29.952 13.653,29.697 R40.1@13.653,29.647
OSD_SCLK: IC4.10 J1.17 | length 7.6
  Top w0.2: J1.17@12.862,23.462 13.421,23.462 13.631,23.672 14.011,23.672 14.339,24 v3(14.406,24)
  Bottom w0.2: IC4.10@10.838,20.875 10.963,21 11.7,21 12.5,21.8 12.5,22.425 12.677,22.602 13.834,22.602 13.84,22.595 14.006,22.595 14.398,22.988 14.398,23.992 v3(14.406,24)
OSD_SS: IC4.8 J1.16 | length 5.2
  Top w0.2: J1.16@12.862,23.862 13.338,23.862 13.7,24.223 v3(13.7,24.263)
  Bottom w0.2: IC4.8@10.838,22.175 10.963,22.3 11.585,22.3 11.777,22.492 11.777,23.077 12.353,23.653 13.286,23.653 13.652,24.018 13.652,24.215 v3(13.7,24.263)
SCL: J1.5 P38.1 P38.2 R36.1 | length 12.7
  Top w0.2: v1(16.7,24.3) 16.748,24.348 17.033,24.348 17.3,24.615 J1.5@17.3,25.1
  Signal 2/GND w0.2: v1(15.796,29.914) 15.796,28.643 15.725,28.571 15.725,25.275 v1(16.7,24.3)
  Bottom w0.2: R36.1@15,28.325 15,28.985 v1@15.862,29.848 ; v1(15.796,29.914) 15.864,29.914 15.981,30.031 16.966,30.031 18.011,31.076 18.011,31.359 18.152,31.5 v2(18.5,31.5)
SDA: J1.4 P37.1 P37.2 R33.1 | length 14.6
  Top w0.2: v1(17.6,26.023) 17.6,25.955 17.7,25.855 J1.4@17.7,25.1
  Signal 3 w0.2: v1(17.6,26.023) 17.6,27.598 18.2,28.198 18.2,29.2 v2(20.5,31.5) v2(21.5,32.5)
  Bottom w0.2: R33.1@16,29.125 16,29.15 16.175,29.325 16.2,29.325 16.475,29.6 18.6,29.6 v2(20.5,31.5)
  other v2: 21,32
Spk+: J1.9 P33.1 P33.2 U1.1 U1.2 | length 20.4
  Top w0.2: J1.9@15.7,25.1 15.7,29.178 16.772,30.25 21.75,30.25 v2(23.5,32)
  Bottom w0.2: U1.1@22.35,26.514 U1.2@23,26.514 23,27.2 24.725,28.925 24.725,30.775 v2(24,31.5) v2(23.5,32)
  other v2: 23,32.5
Spk-: P35.1 P35.2 U1.4 | length 5.8
  Bottom w0.2: U1.4@23.65,24.686 23.65,25.304 26,27.654 v2(26,29.5)
  other v2: 26,29 26,30
SWCLK: J1.24 P40.1 P40.2 | length 10.1
  Top w0.2: v3(12.138,20.683) 12.159,20.662 J1.24@12.862,20.662
  Signal 1 w0.2: v3(12.138,20.683) 12.138,20.615 12.397,20.356 12.397,16.23 12.6,16.027 12.6,11.9 v1(12.9,11.6)
  other v1: 12.9,11.1
SWDIO: J1.25 P39.1 P39.2 | length 6.7
  Top w0.15: 11.6,17.5 11.6,19.191 12.225,19.816 12.225,20.129 12.333,20.237 12.837,20.237 J1.25@12.862,20.262
  Top w0.2: 11.6,17.5 12,17.1 v1(12,14.5)
  other v1: 11.934,13.434 12,14
U0RX: J1.3 J3.4 P12.1 P12.2 | length 16.6
  Top w0.15: J3.4@12.1,28.55 12.1,29.025 12.353,29.278 12.353,29.36 v3(12.411,29.418)
  Top w0.2: J1.3@18.1,25.1 18.1,25.587 18.44,25.927 18.62,25.927 v3(18.668,25.975)
  Signal 1 w0.2: v2(6,29.5) v2(6.5,29.5) v2(7,29.5) 11.916,29.5 12.204,29.211 ; 12.333,29.068 15.45,29.068 18.164,26.354 18.289,26.354 v3(18.668,25.975) ; 12.333,29.083 12.204,29.211 ; v3(12.411,29.418) 12.204,29.211
U0TX: J1.2 J3.3 P13.1 P13.2 | length 18.3
  Top w0.15: J3.3@13.1,28.55 13.325,28.325 13.325,27.536 13.52,27.341 v3(13.52,27.26)
  Top w0.2: v3(17.904,24.2) 17.949,24.245 18.383,24.245 18.5,24.363 J1.2@18.5,25.1
  Signal 3 w0.2: v2(6,32.5) v2(6.5,32) v2(7,31.5) 10.625,27.875 12.905,27.875 v3(13.52,27.26) ; v3@13.525,27.3 14.907,27.3 17.784,24.423 17.784,24.387 17.904,24.268 v3(17.904,24.2)
U1RX: J1.12 P14.1 P14.2 | length 19.3
  Top w0.15: v3(14.196,26.653) 14.196,26.572 14.473,26.295 14.473,25.649 14.475,25.647 14.475,25.125 J1.12@14.5,25.1
  Signal 1 w0.2: v2(-2,26.5) v2(-1.5,26.5) v2(-1,26.5) 5.025,26.5 5.396,26.871 6.928,26.871 7.482,27.425 11.1,27.425 11.55,27.875 13.612,27.875 14.196,27.291 v3(14.196,26.653)
U1TX: J1.11 P15.1 P15.2 | length 20.7
  Top w0.15: v3(14.875,26.625) 14.875,26.544 14.725,26.394 14.725,25.753 14.875,25.603 14.875,25.125 J1.11@14.9,25.1
  Signal 1 w0.2: v2(-2,24) v2(-1.5,24) v2(-1,24) 4.8,24 7.225,26.425 11.725,26.425 12.671,25.479 14.206,25.479 14.575,25.849 14.575,26.325 v3(14.875,26.625)
USB5V: D3.5 D13.1 P1.2 P1.11 | length 14.7
  Top w0.3: P1.2@7.1,3.65 7.25,3.8 7.25,4.256 8.319,5.325 v3(10.675,5.325) 10.681,5.325 11.75,4.256 11.75,3.8 P1.11@11.9,3.65
  Signal 2/GND w0.3: v3(9.6,0.225) 9.6,4.25 v3(10.675,5.325)
  Bottom w0.3: D3.5@9.35,-1 9.35,-0.025 v3(9.6,0.225) ; v3(10.675,5.325) 10.704,5.296 11.344,5.296 11.441,5.2 D13.1@11.75,5.2
VBAT: C2.2 C32.2 C33.2 IC1.2 IC3.2 P2.2 P42.1 P42.2 R14.2 R28.2 R38.2 | length 19
  Top w0.5: IC1.2@24.6,9.3 24.6,8.643 24.55,8.593 24.55,8.35 24.35,8.15 24.35,8.1 C2.2@24.35,7.8 24.425,7.875 v1(24.85,7.875) 24.886,7.839 v1(24.886,7.314)
  Top w0.6: IC3.2@9.2,14.5 C32.2@9.2,16.05 ; P2.2@28.3,13.5 30.28,13.5 v3(30.548,13.232) ; v1(8.5,16.2) v1(8.5,16.8) 8.55,16.8 8.7,16.65 9.1,16.65 9.15,16.6 C32.2@9.15,16.2 ; v1(8.5,16.2) v1(8.5,15.6) 8.75,15.6 C32.2@9.2,16.05 ; v1(8.5,16.2) C32.2@9.15,16.2 ; C32.2@9.15,16.2 C32.2@9.2,16.25 ; C32.2@9.2,16.05 9.25,16.1 C32.2@9.25,16.3 C32.2@9.2,16.25 ; C32.2@9.2,16.05 C32.2@9.2,16.25
  Bottom w0.15: v1(24.886,7.314) 24.943,7.257 24.943,7.107 26.35,5.7 R14.2@26.4,5.7 ; v3(30.548,13.232) 30.929,13.613 30.929,13.829 R38.2@31.3,14.2
  Bottom w0.2: R28.2@21.8,13.1 22.1,12.8 22.104,12.804 v3(22.601,12.804)
  Bottom w0.6: C33.2@8.4,13.45 8.5,13.55 v1(8.5,15.6) v1(8.5,16.2) v1(8.5,16.8)
  other v2: 32,8.5 31.5,9 32,9 32.5,9 32,9.5
Vbat_ADC: C22.2 D12.1 J1.41 R28.1 R29.2 | length 8.3
  Top w0.2: J1.41@18.5,18.224 18.5,17.5 19.85,16.15 19.85,15.95 D12.1@20.05,15.95 ; D12.1@20.06,15.75 20.16,15.85 v3(20.775,15.85)
  Bottom w0.2: C22.2@20.15,14.6 20.25,14.7 R28.1@21.8,14.7 21.9,14.8 R29.2@21.9,16.2 21.125,16.2 v3(20.775,15.85)
"Video In": C13.2 P11.1 P11.2 R22.2 | length 5.7
  Top w0.3: P11.1@1,24 1.469,23.531 2.119,23.531 C13.2@2.5,23.15 ; C13.2@2.5,23.1 C13.2@2.5,23.15 ; R22.2@5.3,25.5 5.3,25.45 5,25.15 4.95,25.15 4,24.2 3.55,24.2 C13.2@2.5,23.15
  other v2: 1,23.5 1,24.5
"Video Out": P10.1 P10.2 R21.1 | length 2.2
  Bottom w0.3: P10.2@1,26.5 1.125,26.5 1.825,25.8 R21.1@2.9,25.8
  other v2: 1,26 1,27
pads on no net: IC1.6 IC3.3 IC3.10 IC4.1 IC4.2 IC4.7 IC4.13 IC4.14 IC4.15 IC4.16 IC4.27 IC4.28 IC5.2 IC5.5 IC5.6 IC6.10 IC6.11 IC7.2 IC7.3 IC7.4 IC7.6 J1.21 J3.6 P1.3 P1.9 P1.17 S1. Y1.1

## Polygon pours and split planes (outlines as drawn)
GND on Top "NONET_L-01_P-001" (solid, pour order 19): -3,33.5 33.5,33.5 33.5,-3 -3,-3
5V on Top "5V_L01_P001" (solid, pour order 1): 4.8,9.7 4.4,9.3 4.4,8 4.2,7.8 3.1,7.8 2.6,7.3 2.6,6.4 2.8,6.2 5.2,6.2 5.8,5.6 8.256,5.6 8.8,6.144 8.8,8.6 7.7,9.7 5.7,9.7
GND on Bottom "NONET_L-01_P-001" (solid, pour order 12): -3,33.5 33.5,33.5 33.5,-3 -3,-3
10V on Bottom "NONET_L-01_P-001" (solid, pour order 11): 23.5,18.525 23.225,18.25 23.225,16.475 23.725,15.975 26.025,15.975 26.95,15.05 28.475,15.05 28.675,15.25 28.675,18.225 28.375,18.525 26.9,18.525
5V on Bottom "5V_L08_P002" (solid, pour order 2): 4.7,9.8 6.2,9.8 6.4,10 7.9,10 8.4,9.5 8.4,6 8,5.6 6.9,5.6 6.2,6.3 5.1,6.3 4.7,6.7 4.7,8.8
3V3 on Power "3V3" (solid, pour order 7): 24.6,25.3 19.8,30.1 14.1,30.1 12.3,28.3 12.3,14 14.9,11.4 20,11.4 21.8,13.2 21.8,18.3 24.6,21.1
10V on Power "10V" (solid, pour order 10): -3.2,33.5 16.5,13.8 33.5,13.8 33.5,31.5 31.5,33.5
5V on Power "5V" (solid, pour order 9): -3,32.5 0.8,28.7 14.05,28.7 14.05,7.5 33.5,7.5 33.5,-3 -1,-3 -3,-1
VBAT on Power "VBAT" (solid, pour order 8): 33.5,13.8 33.5,6.5 14.7,6.5 7.7,13.5 7.7,16.7 7.9,16.9 16.3,16.9 19.4,13.8 28.5,13.8
GND on GND Top "NONET_L-01_P-001" (solid, pour order 17): -3,33.5 33.5,33.5 33.5,-3 -3,-3
GND on Signal 1 "NONET_L-01_P-001" (solid, pour order 16): -3,33.5 33.5,33.5 33.5,-3 -3,-3
GND on Signal 2/GND "NONET_L-01_P-001" (solid, pour order 15): -3,33.5 33.5,33.5 33.5,-3 -3,-3
GND on Signal 3 "NONET_L-01_P-001" (solid, pour order 14): -3,33.5 33.5,33.5 33.5,-3 -3,-3
GND on GND Bottom "NONET_L-01_P-001" (solid, pour order 20): -3,33.5 33.5,33.5 33.5,-3 -3,-3

## Silkscreen, mask and mechanical layers (free items; w line width, h text height)
Top Overlay:
  region: 14.325,11.05 16.275,11.75 15.925,11.05 16.275,10.35
  text "SDA" at 21.937,32.85 h1.3 r270
  text "10V" at 4.912,32.725 h1.3 r270
  text "SCL" at 19.387,32.691 h1.3 r270
  text "T0" at 7.387,32.575 h1.3 r270
  text "Sp+" at 24.535,32.575 h1.1 r270
  text "5V" at 26.937,32.507 h1.3 r270
  text "3V3" at 24.412,30.325 h1.3 r270
  text "Sp-" at 27.114,30.05 h1.3 r270
  text "R0" at 7.412,29.95 h1.3 r270
  text "G" at 4.887,29.8 h1.3 r270
  text "G" at 11.183,27.625 h0.7 r270
  text "R0" at 11.808,27.6 h0.7 r270
  text "T0" at 12.908,27.6 h0.7 r270
  text "G" at 13.883,27.6 h0.7 r270
  text "10V" at 14.858,27.6 h0.7 r270
  text "VO" at 0.424,27.412 h1.3
  text "R1" at -1.95,27.379 h1.3
  text "M3" at 28.45,26.887 h1.3
  text "M2" at 31.35,26.879 h1.3
  text "T1" at -1.975,24.879 h1.3
  text "VI" at 0.624,24.879 h1.3
  text "M1" at 31.225,24.404 h1.3
  text "M4" at 28.45,24.379 h1.3
  text "IO25" at 3.845,20.655 h0.7 r45
  text "IO24" at 3.695,19.605 h0.7 r45
  text "C" at 27,19.208 h0.7
  text "5V" at 3.408,18.8 h0.7 r270
  text "IO5" at 26.475,18.308 h0.7
  text "G" at 3.408,17.7 h0.7 r270
  text "M4" at 27.4,17.3 h0.7 r90
  text "M3" at 27.417,16.4 h0.7 r90
  text "M2" at 27.4,15.4 h0.7 r90
  text "4V5" at 0.175,14.887 h1.3
  text "SWDIO" at 11.05,14.885 h1.1
  text "G" at -0.625,14.587 h1.3
  text "M1" at 27.4,14.5 h0.7 r90
  text "VBat" at 27.418,12.901 h0.7 r90
  text "IO25" at -2.45,12.387 h1.3
  text "IO24" at 0.059,12.387 h1.3
  text "G" at 27.392,12.3 h0.7 r90
  text "SWCLK" at 11.45,12.01 h1.1
  text "JLCJLCJLCJLC" at 30.33,11.595 h0.75 r90
  text "Int1" at -2.144,9.889 h1.3
  text "5V" at 0.5,9.892 h1.3
  text "V+" at 31.096,8.724 h1.3 r90
  text "G" at 0.65,7.412 h1.3
  text "Int2" at -2.152,7.385 h1.3
  text "IO5" at 28.95,7.387 h1.3
  text "G" at 31.625,7.387 h1.3
  text "4V5" at -2.143,4.887 h1.3
  text "G" at 0.7,4.887 h1.3
  text "IO4" at 28.875,4.887 h1.3
  text "C" at 31.75,4.886 h1.3
  text "5V" at 16.025,1.887 h1.3
  text "Active" at 19.2,-0.6 h1.52 r90
  text "Debug" at 20.5,-0.6 h1.52 r90
  text "3.3V" at 21.8,-0.6 h1.52 r90
  text "4.5V" at 23.1,-0.6 h1.52 r90
  text "5V" at 24.4,-0.6 h1.52 r90
  text "10V" at 25.7,-0.6 h1.52 r90
  text "VBat" at 27,-0.6 h1.52 r90
  text "G" at 25.588,-1.775 h1.3 r90
  text "G" at 23.088,-1.825 h1.3 r90
  text "Dbg" at 17.989,-2.075 h1.1 r90
  text "IO6" at 15.588,-2.225 h1.3 r90
  text "Act" at 20.588,-2.275 h1.3 r90
Bottom Overlay:
  text "T0" at 7.412,31.435 h1.3 r270
  text "5V" at 26.937,31.4 h1.3 r270
  text "Sp+" at 24.56,31.321 h1.1 r270
  text "SCL" at 19.387,31.217 h1.3 r270
  text "10V" at 4.912,31.107 h1.3 r270
  text "SDA" at 21.937,31.079 h1.3 r270
  text "G" at 4.887,29.213 h1.3 r270
  text "R0" at 7.412,28.914 h1.3 r270
  text "3V3" at 24.412,28.708 h1.3 r270
  text "Sp-" at 27.114,28.714 h1.3 r270
  text "VO" at 1.72,27.412 h1.3
  text "R1" at -0.936,27.379 h1.3
  text "M3" at 29.8,26.887 h1.3
  text "M2" at 32.703,26.879 h1.3
  text "T1" at -0.966,24.879 h1.3
  text "VI" at 1.453,24.879 h1.3
  text "M1" at 32.571,24.404 h1.3
  text "M4" at 29.824,24.379 h1.3
  text "RP2040 FC / v0.2" at -1.725,14.963 h2 r270
  text "G" at -1.263,14.912 h1.3
  text "4V5" at 1.869,14.912 h1.3
  text "SWDIO" at 13.648,14.885 h1.1
  text "www.bastianspringer.eu" at 17.788,12.685 h1.8 r45
  text "IO25" at -0.492,12.387 h1.3
  text "IO24" at 2.047,12.387 h1.3
  text "SWCLK" at 14,12.01 h1.1
  text "V+" at 32.485,9.929 h1.3
  text "Int1" at -0.506,9.889 h1.3
  text "5V" at 1.606,9.892 h1.3
  text "G" at 1.262,7.412 h1.3
  text "Int2" at -0.506,7.385 h1.3
  text "IO5" at 30.284,7.387 h1.3
  text "G" at 32.199,7.387 h1.3
  text "4V5" at -0.506,4.887 h1.3
  text "G" at 1.34,4.887 h1.3
  text "IO4" at 30.323,4.887 h1.3
  text "C" at 32.247,4.886 h1.3
  text "github.com/bastian2001/rp2040-fc" at 2.288,3.375 h1.8 r270
  text "5V" at 17.132,1.887 h1.3
  text "Designed in / Germany" at 26,0.05 h1.8
  text "Act" at 20.588,-0.767 h1.3 r90
  text "IO6" at 15.613,-0.807 h1.3 r90
  text "Dbg" at 17.989,-0.876 h1.1 r90
  text "G" at 25.563,-1.138 h1.3 r90
  text "G" at 23.088,-1.188 h1.3 r90
Mechanical 1:
  the board outline again, w0.254

## Text inside footprints (layer, text, board x,y; h text height)
IC5: Top Overlay "Baro" at 17.281,27.487 h1.7